# Altium PCB 2024001 A Soutra Plainsong Metronome_PCB.PcbDoc (part 2 of 2) (continued)
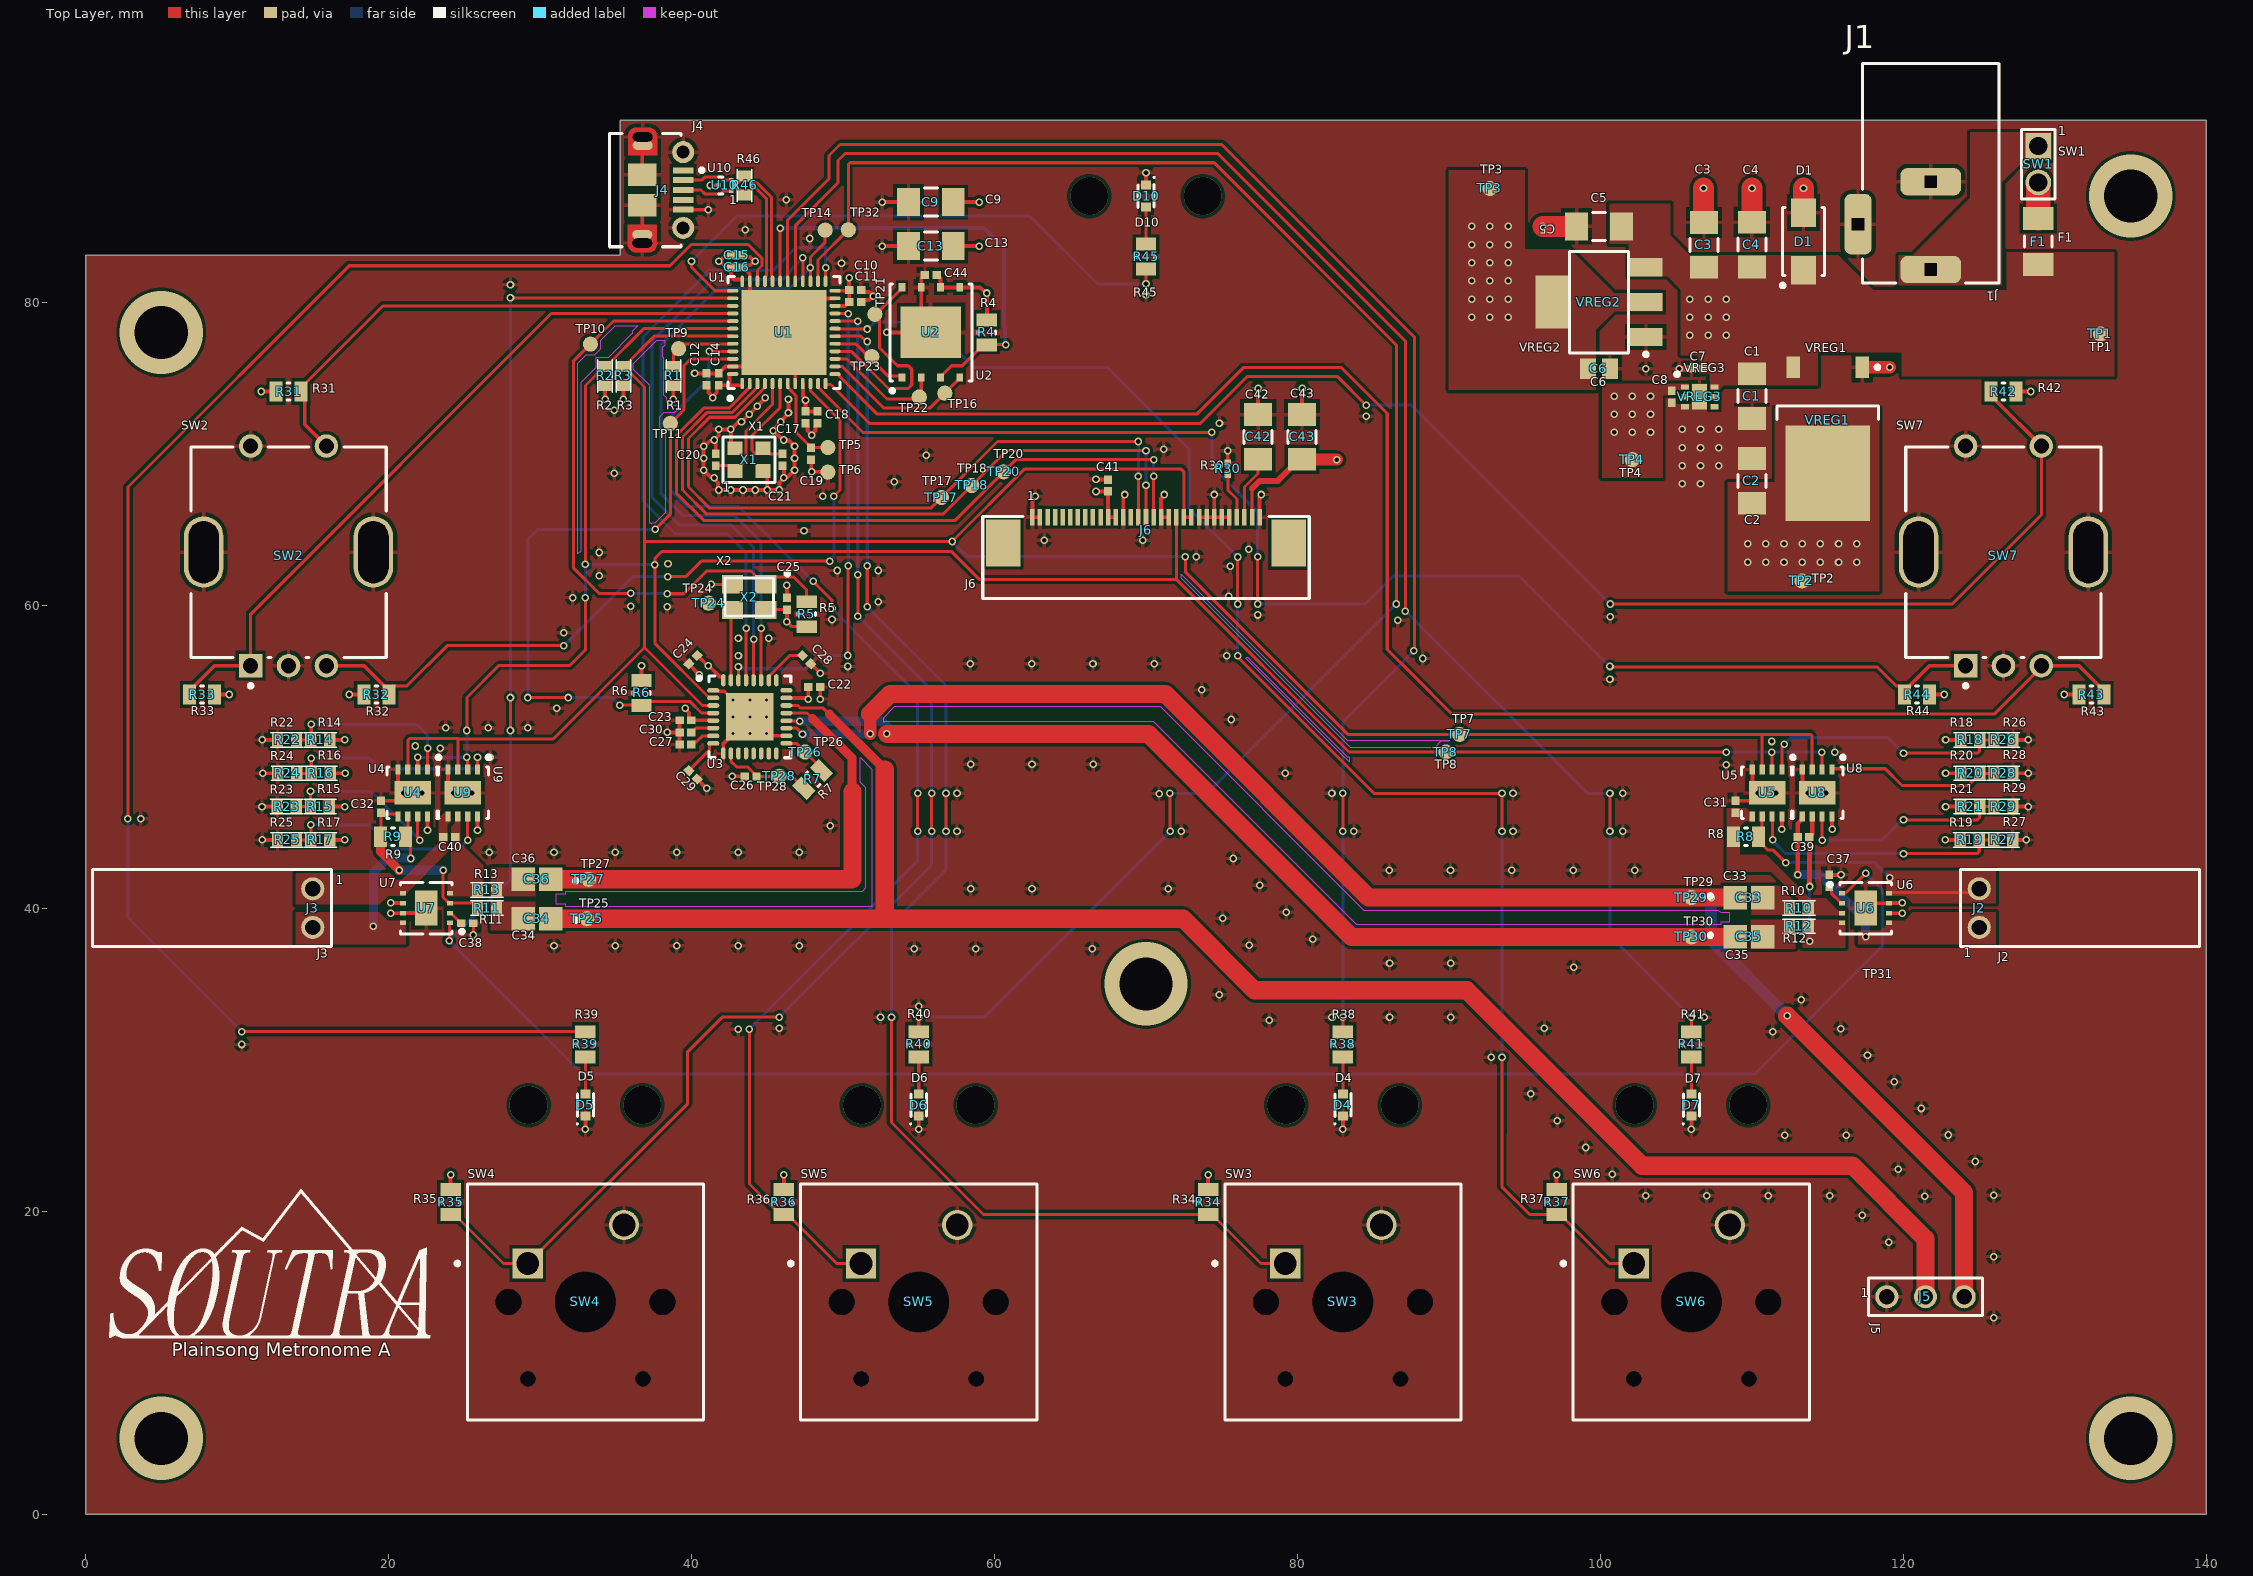
[diagram p0: Top Layer view]
## Nets (pads, with @x,y where several pads share a name; then routed paths per layer and width w, separated by ;. In a path a pad name is that pad's centre, name@x,y a point inside that pad or via, vN(x,y) a via of type N, cw(c..) or ccw(c..) an arc to the next point about the centre after c; other vN are vias at no path point) (continued)
  Top Layer w0.6: 49.1,52.8 52.751,49.149
  Top Layer w1.2: C34.1@30.7,39.3 TP25.1@33.1,39.3 52.751,39.3 ; 52.751,49.149 52.751,39.3 ; J5.2@121.45,14.35 121.45,18.175 116.625,23 102.75,23 91.175,34.575 77.175,34.575 72.45,39.3 52.751,39.3
LOUT-: C36.1 TP27.1 U3.21 | length 33.5
  Top Layer w0.2: U3.21@46.265,52.875 47.625,52.875 48,52.5
  Top Layer w0.6: 48,52.5 50.6,49.9 50.6,47.725 50.625,47.7
  Top Layer w1.2: C36.1@30.7,41.9 TP27.1@33.2,41.9 50.6,41.9 50.625,41.925 50.625,47.7
MCLK: TP24.1 U3.31 X2.3 | length 5.4
  Top Layer w0.2: TP24.1@41.325,60.116 X2.3@42.159,60.116 ; U3.31@42.6,55.04 X2.3@42.6,59.575
MCLK_EN: R5.1 TP10.1 U1.41 X2.1 | length 43.7
  Top Layer w0.2: v1(36,60.775) 33.9,60.775 32.2,62.475 32.2,76.1 TP10.1@33.325,77.225 34.85,78.75 U1.41@42.725,78.75 ; v1(38.4,60.75) 39.5,60.75 41,62.25 43.925,62.25 44.8,61.375 X2.1@44.9,61.375 45.375,61.85 46.75,61.85 47.6,61 R5.1@47.6,60.225
  Bottom Layer w0.2: v1(36,60.775) 36.012,60.762 38.388,60.762 v1(38.4,60.75)
MICBIAS: C26.1 R7.2 TP28.1 U3.10 | length 6.1
  Top Layer w0.2: U3.10@42.6,50.21 42.6,49.7 43,49.3 43.733,49.3 44.11,48.923 44.11,48.86 44.27,48.7 C26.1@44.29,48.7 TP28.1@45.8,48.7 46.633,48.7 R7.2@47.417,47.917
NetC19_1: C19.1 TP5.1 U1.7 | length 6
  Top Layer w0.2: U1.7@46.35,74.625 46.35,74.375 46.9,73.825 46.9,71.41 47.9,70.41 C19.1@47.9,70.39 47.905,70.395 48.995,70.395 TP5.1@49,70.4
NetC20_1: C20.1 U1.5 X1.1 | length 8.3
  Top Layer w0.2: C20.1@41.6,69.21 42.465,69.21 42.825,68.85 X1.1@42.875,68.85 42.925,68.85 43.248,69.173 43.248,69.223 43.6,69.575 43.6,71.5 45.35,73.25 U1.5@45.35,74.625
NetC21_1: C21.1 U1.6 X1.3 | length 7.6
  Top Layer w0.2: U1.6@45.85,74.625 45.85,73.05 44,71.2 44,70.2 44.2,70 44.375,70 X1.3@44.725,70.35 44.775,70.35 45.135,69.99 C21.1@46,69.99
NetC27_1: C27.1 U3.7 | length 1.7
  Top Layer w0.2: C27.1@39.99,50.8 40.15,50.96 40.32,50.96 40.735,51.375 U3.7@41.435,51.375
NetC28_1: C28.1 U3.26 | length 3.1
  Top Layer w0.2: U3.26@45.1,55.04 45.1,55.29 46.5,56.69 47.31,56.69 C28.1@47.324,56.676
NetC29_1: C29.1 U3.8 | length 2.6
  Top Layer w0.2: C29.1@39.824,49.076 41.173,50.425 41.173,50.829 41.22,50.875 U3.8@41.435,50.875
NetC30_1: C30.1 U3.6 | length 1.6
  Top Layer w0.2: C30.1@39.99,51.6 40.01,51.6 40.285,51.875 U3.6@41.435,51.875
NetC31_1: C31.1 R8.1 R10.2 U5.5 U6.3 | length 1.3
  Top Layer w0.2: R8.1@108.775,44.45 R8.1@108.775,44.7 R8.1@108.9,44.825 ; C31.1@108.9,46.31 C31.1@109.01,46.2 ; U5.5@109.95,46.2 110.025,46.125 U5.5@110.025,46.05 ; R10.2@113.725,40.05 R10.2@113.725,40 113.725,39.95 R10.2@114,39.675
NetC32_1: C32.1 R9.1 R11.2 U4.5 U7.3 | length 12.8
  Top Layer w0.2: R9.1@19.475,44.7 19.5,44.725 C32.1@19.5,46.215 ; C32.1@19.5,46.31 19.595,46.215 20.55,46.215 20.625,46.14 U4.5@20.625,46.05 ; v1(23.6,42.5) 23.6,40.725 24,40.325 U7.3@24.05,40.325 25.6,40.325 25.875,40.05 R11.2@25.875,40
  Top Layer w0.6: R9.1@19.475,44.7 19.475,43.725 v1(20.7,42.5)
  Bottom Layer w0.6: v1(20.7,42.5) v1(23.6,42.5)
NetC33_2: C33.2 R10.1
NetC34_2: C34.2 R11.1
NetC35_2: C35.2 R12.1
NetC36_2: C36.2 R13.1
NetC37_1: C37.1 U6.2 | length 1.4
  Top Layer w0.2: C37.1@115.1,41.39 115.24,41.25 115.24,40.985 115.85,40.375 115.9,40.375 U6.2@115.95,40.325
NetC38_1: C38.1 U7.2 | length 1
  Top Layer w0.2: U7.2@24.05,39.675 24.1,39.675 24.615,39.16 24.65,39.16 C38.1@24.81,39
NetC39_1: C39.1 R12.2 U6.4 U8.6 | length 8.8
  Top Layer w0.2: v1@113.795,41.43 v1(113.8,41.425) ; C39.1@113.795,44.695 C39.1@113.79,44.7 113.81,44.7 C39.1@113.975,44.865 ; R12.2@113.8,38.725 R12.2@113.725,38.8 R12.2@113.95,39.025
  Top Layer w0.3: v1@113.795,41.43 C39.1@113.795,44.695 ; C39.1@113.975,44.865 U8.6@113.975,46.05
  Bottom Layer w0.2: v1(113.8,37.8) v1(113.8,41.425)
NetC39_2: C39.2 J2.1 U6.5 U8.5 | length 11.2
  Top Layer w0.2: J2.1@124.75,38.975 J2.1@125,38.725
  Top Layer w0.3: v1(113.01,42.21) 113.01,45.585 113.3,45.875 113.3,46.025 U8.5@113.325,46.05
  Bottom Layer w0.6: v1(113.01,42.21) 114.49,42.21 117.5,39.2 v1(117.5,38.1)
NetC40_1: C40.1 R13.2 U7.4 U9.6 | length 0.6
  Top Layer w0.2: C40.1@24.39,44.7 24.41,44.7 C40.1@24.57,44.86 ; R13.2@25.65,40.975 R13.2@25.875,41.2
NetC40_2: C40.2 J3.1 U7.5 U9.5 | length 0.6
  Top Layer w0.2: J3.1@15.025,41.3 J3.1@15,41.275 J3.1@15.25,41.025 ; U7.5@20.9,40.975 U7.5@20.95,40.975 U7.5@21,40.975 ; U9.5@23.925,45.9 U9.5@23.925,46.05
NetC42_1: C42.1 J6.29 | length 4.2
  Top Layer w0.2: J6.29@76.5,65.8 76.5,67.8 77.388,68.688 77.388,69.612 C42.1@77.4,69.624
NetD4_2: D4.2 R38.2 | length 2.5
  Top Layer w0.2: D4.2@83,27.725 R38.2@83,30.175
NetD5_2: D5.2 R39.2 | length 2.5
  Top Layer w0.2: D5.2@33,27.725 R39.2@33,30.175
NetD6_2: D6.2 R40.2 | length 2.5
  Top Layer w0.2: D6.2@55,27.725 R40.2@55,30.175
NetD7_2: D7.2 R41.2 | length 2.5
  Top Layer w0.2: D7.2@106,27.725 R41.2@106,30.175
NetD10_2: D10.2 R45.2 | length 2.5
  Top Layer w0.2: R45.2@70,83.825 D10.2@70,86.275
NetF1_1: F1.1 SW1.2 | length 2.4
  Top Layer w1.6: F1.1@128.9,85.52 SW1.2@128.9,87.9
NetJ1_1: J1.1 SW1.1
NetJ2_2: J2.2 R8.2 U5.6 U6.8 | length 17.5
  Top Layer w0.2: U5.6@110.675,46.05 110.675,44.95 R8.2@110.425,44.7 110.425,44.45 111.05,43.825 111.395,43.825 v1(112.225,42.995) ; U6.8@119.075,41.025 124.75,41.025 J2.2@125,41.275 ; v1@119.075,41.975 v1(119.1,42)
  Bottom Layer w0.2: v1(112.225,42.995) 112.255,43.025 118.075,43.025 v1(119.1,42)
NetJ3_2: J3.2 R9.2 U4.6 U7.8 | length 9.5
  Top Layer w0.2: J3.2@15,38.725 J3.2@15.075,38.8 ; U7.8@20.934,39.009 U7.8@20.95,39.025 ; U4.6@21.275,46.05 21.275,44.85 R9.2@21.125,44.7 21.45,44.375 21.45,43.3 v1(21.475,43.275)
  Top Layer w0.5: v1(19,38.8) v1@19.002,38.798
  Bottom Layer w0.6: v1(19,38.8) 19,42.35 19.95,43.3 21.45,43.3 v1(21.475,43.275)
NetJ6_28: J6.28 R30.2 | length 3.1
  Top Layer w0.2: R30.2@75.4,68.625 75.4,67.6 76,67 J6.28@76,65.8
NetR31_1: R31.1 SW2.2 U1.39 | length 35.3
  Top Layer w0.2: R31.1@14.225,74.1 14.225,74.35 14.55,74.675 19.625,79.75 U1.39@42.725,79.75
  Top Layer w0.254: R31.1@14.225,74.1 14.475,73.85 14.475,72.4 14.475,71.925 SW2.2@15.9,70.5
NetR32_1: R32.1 SW2.B U1.10 | length 50.5
  Top Layer w0.2: R32.1@20.025,54.1 20.025,54.35 20.35,54.675 21.225,54.675 23.875,57.325 v1(31.575,57.325) ; v1(38.425,61.875) 39.625,61.875 40.65,62.9 v1(49.125,62.9) ; U1.10@47.85,74.625 47.85,74.15 49.8,72.2 49.8,67.6 v1(49.4,67.2)
  Top Layer w0.254: SW2.B@15.9,56 18.375,56 R32.1@20.025,54.35
  Bottom Layer w0.2: v1(31.575,57.325) 36.125,61.875 v1(38.425,61.875) ; v1(49.125,62.9) 49.133,62.9 49.4,63.167 v1(49.4,67.2)
NetR33_1: R33.1 SW2.A U1.40 | length 48.8
  Top Layer w0.2: SW2.A@10.9,56 10.9,59.4 30.75,79.25 U1.40@42.725,79.25
  Top Layer w0.254: R33.1@6.577,54.648 R33.1@6.875,54.35 ; R33.1@6.875,54.1 R33.1@6.875,54.35 ; SW2.A@10.9,56 8.525,56 R33.1@6.875,54.35
NetR34_1: R34.1 SW3.1 U1.18 | length 87.3
  Top Layer w0.2: U1.18@49.475,77.75 51.172,77.75 51.522,77.4 v1(51.6,77.4) ; v1(51.6,59.9) v1(51.6,62.6) ; v1(53.2,32.8) 53.2,25.85 59.275,19.775 R34.1@74.1,19.775 74.35,19.775 77.585,16.54 SW3.1@79.19,16.54 ; v1(56.8,45.075) v1(56.8,47.575)
  Bottom Layer w0.2: v1(51.6,59.9) 56.8,54.7 v1(56.8,47.575) ; v1(51.6,62.6) v1(51.6,77.4) ; v1(53.2,32.8) 53.2,38.925 56.8,42.525 v1(56.8,45.075)
NetR35_1: R35.1 SW4.1 U1.20 | length 85.4
  Top Layer w0.2: R35.1@24.1,19.775 24.35,19.775 27.585,16.54 SW4.1@29.19,16.54 39.744,27.094 39.744,30.52 42.024,32.8 v1(45.8,32.8) ; U1.20@49.475,78.75 49.485,78.74 50.959,78.74 v1(50.971,78.729) ; v1(50.975,59.275) v1(50.975,62) ; v1(55.85,45.075) v1(55.85,47.575)
  Bottom Layer w0.2: v1(45.8,32.8) 55.85,42.85 v1(55.85,45.075) ; v1(50.971,78.729) 50.973,78.727 50.973,62.002 v1(50.975,62) ; v1(50.975,59.275) 55.85,54.4 v1(55.85,47.575)
NetR36_1: R36.1 SW5.1 U1.45 | length 80.5
  Top Layer w0.2: v1(41.164,76.745) 42.72,76.745 U1.45@42.725,76.75 ; v1(43.8,32) 43.829,31.971 43.829,21.796 45.85,19.775 R36.1@46.1,19.775 46.35,19.775 49.585,16.54 SW5.1@51.19,16.54 ; v1(48.025,61.575) 49.275,60.325 v1(49.275,59.775) ; v1(54.925,45.075) v1(54.925,47.575)
  Bottom Layer w0.2: v1(41.164,76.745) 41.164,74.964 38.6,72.4 38.6,67.6 39.7,66.5 43.1,66.5 v1(48.025,61.575) ; v1(43.8,32) 54.925,43.125 v1(54.925,45.075) ; v1(49.275,59.775) 54.925,54.125 v1(54.925,47.575)
NetR37_1: R37.1 SW6.1 U1.19 | length 100.1
  Top Layer w0.2: U1.19@49.475,78.25 49.485,78.24 51.58,78.24 v1(51.596,78.224) ; v1(76.05,56.65) 76.05,56.569 85.044,47.575 v1(93.5,47.575) v1(93.5,45.075) ; v1(76.05,60.075) v1(76.05,63.175) ; v1(93.5,30.15) 93.5,25.1 93.488,25.088 93.488,21.612 95.325,19.775 R37.1@97.1,19.775 97.35,19.775 100.585,16.54 SW6.1@102.19,16.54
  Bottom Layer w0.2: v1(51.596,78.224) 51.637,78.224 52.113,78.7 55.625,78.7 58.625,75.7 67.425,75.7 72.825,70.3 72.825,66.4 v1(76.05,63.175) ; v1(76.05,56.65) v1(76.05,60.075) ; v1(93.5,30.15) v1(93.5,45.075)
NetR38_1: R38.1 U1.30 | length 101.5
  Top Layer w0.2: U1.30@46.35,81.375 46.35,85.425 49.075,88.15 49.075,89.675 49.8,90.4 75,90.4 87.732,77.668 87.732,57.032 v1(87.675,56.975) ; R38.1@83,31.825 v1(83,32.8) ; v1(83,45.075) v1(83,47.575)
  Bottom Layer w0.2: v1(83,32.8) v1(83,45.075) ; v1(83,47.575) 83,52.3 v1(87.675,56.975)
NetR39_1: R39.1 U1.34 | length 112.2
  Top Layer w0.2: v1(2.8,45.9) 2.8,67.8 17.4,82.4 38.575,82.4 39.975,83.8 43.736,83.8 44.65,82.886 44.65,82.417 44.35,82.117 U1.34@44.35,81.375 ; v1(10.325,31.85) 32.975,31.85 R39.1@33,31.825
  Bottom Layer w0.2: v1(2.8,45.9) 2.8,39.375 v1(10.325,31.85)
NetR41_1: R41.1 U1.29 | length 106.2
  Top Layer w0.2: U1.29@46.85,81.375 46.85,85.05 49.675,87.875 49.675,89.35 50.125,89.8 74.75,89.8 87.125,77.425 v1(87.125,59.6) ; v1(100.625,45.075) v1(100.625,47.575) ; R41.1@106,31.825 v1(106,32.8)
  Bottom Layer w0.2: v1(87.125,59.6) 99.15,47.575 v1(100.625,47.575) ; v1(100.625,45.075) 100.625,38.175 v1(106,32.8)
NetR42_1: R42.1 SW7.2 U1.12 | length 100.8
  Top Layer w0.2: U1.12@48.85,74.625 48.85,74.59 48.873,74.567 49.183,74.567 51.75,72 73.6,72 76.7,75.1 82.625,75.1 v1(84.525,73.2) ; v1(100.65,60.075) 123.225,60.075 129.1,65.95 SW7.2@129.1,70.5
  Top Layer w0.254: R42.1@125.775,74.1 126.073,73.802 126.073,73.527 SW7.2@129.1,70.5
  Bottom Layer w0.2: v1(84.525,73.2) 87.525,73.2 v1(100.65,60.075)
NetR43_1: R43.1 SW7.B U1.13 | length 107.5
  Top Layer w0.2: U1.13@49.475,75.25 49.711,75.25 49.735,75.227 49.735,75.134 52.268,72.6 73.35,72.6 76.45,75.7 82.875,75.7 85.925,72.65 85.925,57.075 87.5,55.5 90.2,52.8 126,52.8 129.1,55.9 SW7.B@129.1,56
  Top Layer w0.254: SW7.B@129.1,56 131.575,56 R43.1@133.225,54.35 ; R43.1@133.225,54.1 R43.1@133.225,54.35 ; R43.1@133.523,54.648 R43.1@133.225,54.35
NetR44_1: R44.1 SW7.A U1.11 | length 91.9
  Top Layer w0.2: U1.11@48.35,74.625 48.35,74.375 51.325,71.4 v1(74.35,71.4) ; v1(77.375,60.075) v1(77.375,63.2) ; v1(100.625,55.95) 100.65,55.925 118.25,55.925 119.513,54.662 119.75,54.662 120.075,54.337 R44.1@120.075,54.1 R44.1@120.075,54.35
  Top Layer w0.254: R44.1@120.075,54.35 121.725,56 SW7.A@124.1,56
  Bottom Layer w0.2: v1(74.35,71.4) 74.35,69.15 77.375,66.125 v1(77.375,63.2) ; v1(77.375,60.075) 84.475,60.075 86.325,61.925 94.65,61.925 v1(100.625,55.95)
NetR45_1: R45.1 U1.37 | length 37.8
  Top Layer w0.2: v1(40,82.7) 40,82.3 41.55,80.75 U1.37@42.725,80.75 ; v1(70,81.2) R45.1@70,82.175
  Bottom Layer w0.2: v1(40,82.7) 43,85.7 62.3,85.7 66.8,81.2 v1(70,81.2)
OLED_D/C_SA0: J6.17 TP20.1 U1.2 | length 47.9
  Top Layer w0.2: U1.2@43.85,74.625 43.85,74.375 42.475,73 40.8,73 39,71.2 39,67.4 40.8,65.6 57.4,65.6 61.4,69.6 v1(70.5,69.6) ; J6.17@70.5,65.8 v1(70.5,68.5)
  Bottom Layer w0.2: v1(70.5,68.5) v1(70.5,69.6)
R+_DPOT_A0: R18.1 R26.2 U5.1 | length 17
  Top Layer w0.2: U5.1@111.975,49.15 111.987,49.162 111.987,50.606 112.125,50.744 v1(112.125,50.825) ; v1(120,50.225) 124.875,50.225 125.025,50.375 R18.1@125.025,51.1 R26.2@125.975,51.1
  Bottom Layer w0.2: v1(112.125,50.825) 112.144,50.825 112.594,51.275 118.95,51.275 v1(120,50.225)
R+_DPOT_A1: R19.1 R27.2 U5.7 | length 17.4
  Top Layer w0.2: U5.7@111.325,46.05 111.35,46.025 111.35,44.525 v1(111.375,44.5) ; v1(120,43.6) 124.875,43.6 125,43.725 R19.1@125,44.5 R27.2@125.95,44.5
  Bottom Layer w0.2: v1(111.375,44.5) 111.375,44.443 112.218,43.6 v1(120,43.6)
R-_DPOT_A0: R20.1 R28.2 U8.1 | length 11.5
  Top Layer w0.2: U8.1@115.275,49.15 115.325,49.2 118.8,49.2 119.9,48.1 124.275,48.1 125.025,48.85 R20.1@125.025,48.9 R28.2@125.975,48.9
R-_DPOT_A1: R21.1 R29.2 U8.7 | length 14.2
  Top Layer w0.2: v1(114.627,44.491) U8.7@114.625,46.05 ; v1(120,45.825) 124.875,45.825 125.025,45.975 R21.1@125.025,46.7 R29.2@125.975,46.7
  Bottom Layer w0.2: v1(114.627,44.491) 118.591,44.491 119.925,45.825 v1(120,45.825)
ROUT+: C33.1 J5.3 TP29.1 U3.19 | length 103.5
  Top Layer w0.2: U3.19@46.265,51.875 46.94,51.875 v1(47.326,51.489)
  Top Layer w0.8: v1(51.8,51.5) 51.8,52.831
  Top Layer w1.2: 51.8,52.831 53.094,54.125 71.275,54.125 84.7,40.7 TP29.1@106,40.7 v1(107.3,40.7) C33.1@108.9,40.7 ; v1(112.325,32.9) 124,21.225 J5.3@124,14.35
  Bottom Layer w0.6: v1(47.326,51.489) 47.331,51.495 51.795,51.495 v1(51.8,51.5)
  Bottom Layer w0.8: v1(107.3,40.7) 107.3,37.9 112.3,32.9 v1(112.325,32.9)
ROUT-: C35.1 TP30.1 U3.20 | length 68.8
  Top Layer w0.2: U3.20@46.265,52.375 46.284,52.356 47.131,52.356 v1(47.149,52.337)
  Top Layer w1.2: v1(52.9,51.5) 70.175,51.5 83.575,38.1 TP30.1@106,38.1 C35.1@108.9,38.1
  Bottom Layer w0.6: v1(47.149,52.337) 52.549,52.337 52.9,51.986 v1(52.9,51.5)
SCL: J6.20 R2.1 TP8.1 U1.42 U3.2 U4.2 U5.2 U8.2 U9.2 | length 151.3
  Top Layer w0.2: U4.2@21.925,49.15 21.93,49.155 21.93,49.95 v1(21.936,49.955) ; v1(25.175,49.95) 25.2,49.925 25.2,49.175 U9.2@25.225,49.15 ; v1(25.175,51.725) 25.175,53.9 27.3,56.025 31.975,56.025 33,57.05 v1(33,60.5) ; v1(33,62.7) 33,74.5 34.25,75.75 R2.1@34.3,75.75 34.35,75.75 36.85,78.25 U1.42@42.725,78.25 ; U3.2@41.435,53.875 41.402,53.908 41.152,53.908 37.575,57.485 37.575,63.075 38.05,63.55 57.15,63.55 59,61.7 72,61.7 ; J6.20@72,65.8 72,61.7 ; v1(108.3,50.3) TP8.1@89.8,50.3 83.4,50.3 72,61.7 ; v1(111.3,50.3) 111.313,50.288 111.313,49.162 U5.2@111.325,49.15 ; v1(114.6,50.3) 114.612,50.288 114.612,49.163 U8.2@114.625,49.15
  Bottom Layer w0.2: v1(21.936,49.955) 21.938,49.953 25.172,49.953 v1(25.175,49.95) v1(25.175,51.725) ; v1(33,60.5) v1(33,62.7) 33.012,62.687 37.563,62.687 v1(37.575,62.675) ; v1(108.3,50.3) v1(111.3,50.3) v1(114.6,50.3)
SDA: J6.21 J6.22 R3.1 TP7.1 U1.43 U3.3 U4.3 U5.3 U8.3 U9.3 | length 163.8
  Top Layer w0.2: U4.3@21.275,49.15 21.275,51.07 21.392,51.187 24.587,51.187 ; U9.3@24.575,49.15 24.587,49.162 24.587,51.167 30.867,51.167 36.9,57.2 ; R3.1@35.5,75.75 R3.1@35.55,75.75 ; U3.3@41.435,53.375 40.725,53.375 36.9,57.2 ; U1.43@42.725,77.75 37.55,77.75 R3.1@35.55,75.75 ; v1(72.6,63.2) 72.6,62.2 83.325,51.475 TP7.1@90.7,51.475 110.675,51.475 ; J6.22@73,65.8 J6.21@72.5,65.8 72.5,68.8 72.3,69 62,69 v1(57.2,64.2) 36.9,64.2 ; U5.3@110.675,49.15 110.675,51.475 ; U8.3@113.975,49.15 113.975,51.358 113.858,51.475 110.675,51.475 ; R3.1@35.55,75.75 36.9,74.4 36.9,64.2 ; 36.9,57.2 36.9,64.2
  Bottom Layer w0.2: v1(57.2,64.2) 58.2,63.2 v1(72.6,63.2)
SPI1_MISO: TP21.1 U1.16 U2.8 | length 14.5
  Top Layer w0.2: U1.16@49.475,76.75 50.55,76.75 53,74.3 54.3,74.3 54.538,74.538 54.538,75.562 54.3,75.8 53.6,75.8 52.4,77 52.4,79.43 53.895,80.925 U2.8@53.895,80.975
SPI1_MOSI: TP23.1 U1.17 U2.1 | length 5.3
  Top Layer w0.2: U1.17@49.475,77.25 50.85,77.25 52.2,75.9 52.987,75.113 53.807,75.113 U2.1@53.895,75.025
SPI1_SCK: TP22.1 U1.15 U2.2 | length 8.1
  Top Layer w0.2: U1.15@49.475,76.25 50.25,76.25 52.9,73.6 54.9,73.6 55.165,73.865 U2.2@55.165,75.025
pads on no net: J4.1 J4.4 J6.3 J6.4 J6.5 J6.6 J6.7 J6.8 J6.9 J6.10 J6.14 J6.32 J6.33 SW3.MH1 SW3.MH2 SW3.MH3 SW4.MH1 SW4.MH2 SW4.MH3 SW5.MH1 SW5.MH2 SW5.MH3 SW6.MH1 SW6.MH2 SW6.MH3 U3.11 U3.12 U3.13 U3.14 U3.15 U3.16 U3.24 U3.25 VREG3.2 VREG3.4 VREG3.5
copper on no net:
  other v2: 29.25,27 36.75,27 51.25,27 58.75,27 79.25,27 86.75,27 102.25,27 109.75,27 66.25,87 73.75,87
  other v5: 5,5 135,5 70,35 5,78 135,87

## Polygon pours and split planes (outlines as drawn)
GND on Top Layer "NONET_L-01_P-001" (solid, pour order 42): 0,83.1 0,0 140,0 140,92 35.3,92 35.25,91.95 35.25,83.1
+9V on Top Layer "+9V_L01_P023" (solid, pour order 23): 100.6,83.85 101.875,83.85 101.875,81.7 104.425,81.7 105.3,80.825 105.3,76.5 106.5,76.5 106.5,75.3 107.2,75.3 107.2,74.2 107.825,74.2 108.125,74.5 114.35,74.5 114.35,76.7 119.9,76.7 119.9,75.1 133.9,75.1 133.9,83.3 126.8,83.3 126.8,80.8 118,80.8 115.7,83.1 105.9,83.1 104.6,84.4 104.6,86.5 100.6,86.5
GND on Top Layer "Top Layer-GND" (solid, pour order 29): 104.3,67 108,67 108,68.4 111.296,68.4 111.296,73.1 108.6,73.1 108.1,73.1 108.1,72.725 107,72.725 107,74.6 106,74.6 106,73.275 104.974,73.275 104.974,73.65 104.3,73.65
+1V8 on Top Layer "Top Layer-No Net" (solid, pour order 17): 104.1,68.4 104.1,73.85 104.675,73.85 105.025,74.2 105.8,74.2 105.8,74.6 100.1,74.6 100.1,68.4
NetC39_2 on Top Layer "NETC39_2_L01_P033" (solid, pour order 33): 118.85,39.175 120.075,39.175 120.625,39.725 126.1,39.725 126.1,37.6 117,37.6 117,38.5 118.475,38.5 118.85,38.875
NetC34_2 on Top Layer "NETC34_2_L01_P035" (solid, pour order 35): 26.75,40.425 26.75,38.525 29.675,38.525 29.675,40.425
NetC35_2 on Top Layer "NETC35_2_L01_P041" (solid, pour order 41): 112.845,39.223 112.845,37.33 112.85,37.325 109.925,37.325 109.925,39.225 112.85,39.225
NetC33_2 on Top Layer "NETC33_2_L01_P040" (solid, pour order 40): 110,41.475 110,39.575 112.1,39.575 112.85,39.575 112.85,40.425 111.8,41.475
NetC39_1 on Top Layer "NETC39_1_L01_P039" (solid, pour order 39): 113.35,39.225 115.7,39.225 115.75,39.175 116.15,39.175 116.15,37.375 113.35,37.375
NetC31_1 on Top Layer "NETC31_1_L01_P038" (solid, pour order 38): 110.196,46.366 110.196,45.729 110.2,45.725 109.55,45.725 109.2,45.375 109.2,43.525 110.95,43.525 113.825,40.65 114.875,40.65 115.7,39.825 116.15,39.825 116.15,39.525 113.35,39.525 113.35,40.325 111.275,42.4 108.35,42.4 108.35,46.6 109.625,46.6 109.85,46.375 110.2,46.375
NetC40_1 on Top Layer "NETC40_1_L01_P037" (solid, pour order 37): 24.4,46.375 24.4,45.625 24.125,45.35 24.125,42.4 23.9,42.175 23.9,40.775 25.5,40.775 26.25,40.775 26.25,42.825 24.75,44.325 24.75,46.375
NetC36_2 on Top Layer "NETC36_2_L01_P036" (solid, pour order 36): 26.75,40.775 29.675,40.775 29.675,42.675 26.75,42.675
NetJ2_2 on Top Layer "NETJ2_2_L01_P034" (solid, pour order 34): 118.85,40.825 120.125,40.825 120.625,40.325 126.1,40.325 126.1,42.475 118.85,42.475
NetJ3_2 on Top Layer "NETJ3_2_L01_P032" (solid, pour order 32): 21.15,39.175 21.15,37.625 13.875,37.625 13.875,39.725 19.4,39.725 19.95,39.175
NetC40_2 on Top Layer "NETC40_2_L01_P031" (solid, pour order 31): 23.325,45.95 23.75,46.375 24.1,46.375 24.1,45.725 23.875,45.5 23.875,43.675 21.025,40.825 19.975,40.825 19.4,40.25 13.875,40.25 13.875,42.3 20.1,42.3 20.525,41.875 20.875,41.875 23.325,44.325
+3V3 on Top Layer "+3V3_L01_P022" (solid, pour order 22): 90,83.5 90,88.7 95,88.7 95,83.5 98,83.5 100.9,80.6 104.1,80.6 104.1,79.4 100.925,79.4 99.7,78.175 99.7,74.2 90,74.2
+5V on Top Layer "+5V_L01_P021" (solid, pour order 21): 108.4,68.1 108.4,60.9 118.4,60.9 118.4,73 111.5,73 111.5,68.1
NetJ1_1 on Top Layer "INPUT_POWER_POUR" (solid, pour order 20): 119.7,83.1 119.7,81.1 126.5,81.1 126.5,87.9 128,89.4 129.8,89.4 129.8,91.2 124.4,91.2 124.4,86.9 120.6,83.1
+3V3 on Layer 2 "+3V3_L03_P028" (solid, pour order 28): 94.9,77.9 78.4,77.9 78.4,61.4 48.8,61.4 47.1,59.7 47.1,57.35 39.875,57.35 39.875,64.1 30.15,64.1 30.15,53.275 12.6,53.275 12.6,23.55 124.7,23.55 124.7,53 118.85,53 118.85,74.8 140,74.8 140,0 0,0 0,83.1 35.3,83.1 35.3,92 48.2,92 94.9,92
+5V on Layer 2 "+5V_L03_P027" (solid, pour order 27): 30.175,45.9 30.175,52.625 13.3,52.625 13.3,24.25 124,24.25 124,52.3 118.15,52.3 118.15,67.5 104.9,67.5 104.9,45.9
+1V8 on Layer 2 "+1V8_L03_P026" (solid, pour order 26): 83.875,60.7 83.875,74.8 104.2,74.8 104.2,73.8 104.2,46.6 30.8,46.6 30.8,63.425 39.2,63.425 39.2,56.65 47.8,56.65 47.8,59.4 49.1,60.7
+9V on Layer 2 "+9V_L03_P030" (solid, pour order 30): 140,92 140,75.5 83.175,75.5 83.175,61.4 79.1,61.4 79.1,77.2 95.6,77.2 95.6,92
GND on Layer 2 "GND_L03_P025" (solid, pour order 25): 46.368,74.2 46.9,74.2 46.9,73.134 46.944,73.09 46.944,71 47.202,70.632 47.202,68.502 45.9,67.2 41.6,67.2 40.4,68.4 40.4,70.7 41.8,72.1 42.71,72.1 44.7,74.109 44.7,74.8 44.714,75.373 44.711,76.089 44.714,76.093 46.368,76.093 46.368,75.554
GND on Layer 1 "Layer 1-GND" (solid, pour order 24): 0,0 140,0 140,92 35.3,92 35.3,83.1 0,83.1
GND on Bottom Layer "NONET_L-01_P-001" (solid, pour order 43): -0.011,83.112 0,83.1 0,0 140,0 140,92 35.25,92 35.25,83.1 0,83.1

## Keep-outs
Top Layer:
  region: 52.691,52.279 52.691,52.581 53.428,53.318 70.941,53.318 84.384,39.875 107.775,39.875 107.925,39.725 108.5,39.725 108.5,39.075 107.925,39.075 107.925,38.907 107.918,38.9 83.925,38.9 70.525,52.3 52.712,52.3
  region: 51.11,49.89 51.11,48.356 51.475,47.991 51.475,41.3 51.268,41.093 31.675,41.093 31.675,40.925 31.025,40.925 31.025,40.275 31.675,40.275 31.675,40.107 32.093,40.107 32.1,40.1 32.107,40.107 51.944,40.107 51.944,49.149 51.203,49.89
  region: 36.446,78.444 36.075,78.074 36.075,77.9 36.067,77.9 34.492,76.325 33.675,76.325 33.675,75.674 32.675,74.674 32.675,63.55 32.5,63.375 32.5,75.967 33.058,76.525 33.615,76.525 34.025,76.935 34.025,77.492 34.977,78.444
  region: 37.206,65.422 37.28,65.422 37.333,65.369 37.414,65.45 37.617,65.45 38.294,66.127 38.294,71.281 37.9,71.675 37.9,72.436 38.189,72.725 38.892,72.725 39.194,73.027 39.071,73.15 38.614,73.15 38.35,73.414 38.35,73.69 38.175,73.865 38.175,76.325 38.1,76.4 38.1,77.022 38.275,77.197 38.275,77.444 37.677,77.444 36.125,75.892 36.125,75.608 37.2,74.533 37.2,65.428
  region: 83.4,49.994 83.4,49.65 82.9,50.15 82.9,50.151 76.571,56.48 76.644,56.552 76.723,56.552 83.281,49.994
  region: 89.45,51 89.05,50.6 83.525,50.6 72.342,61.783 72.342,62.025 83.272,51.095 90.007,51.095 90.007,51

## Other copper
Layer 1:
  pour cut-out: 46.463,74.1 46.8,74.1 46.8,73.327 46.807,73.333 47.454,72.552 47.359,68.259 46.1,67 41.7,67 40.286,68.414 40.286,70.786 41.7,72.2 42.7,72.2 44.3,73.8 44.5,74 44.5,74.4 44.5,76.163 46.463,76.163 46.463,75.437

## Silkscreen, mask and mechanical layers (free items; w line width, h text height)
Top Overlay:
  region: 4958 vertices and 11 holes, not listed, extent 1.566,11.596 22.766,21.462
  text "Plainsong Metronome A" at 5.7,10.136 h1.52
Bottom Overlay:
  drawing of 277 lines, arcs and shapes, not listed
Doc Field:
  drawing of 56 lines, arcs and shapes, not listed
  text "8" at -52.384,146.984 h2
  text "7" at -15.234,146.984 h2
  text "6" at 21.916,146.984 h2
  text "5" at 59.016,146.984 h2
  text "4" at 96.116,146.984 h2
  text "3" at 133.241,146.984 h2
  text "2" at 170.366,146.984 h2
  text "1" at 207.916,146.984 h2
  text "F" at -68.834,131.484 h2
  text "F" at 224.166,131.484 h2
  text "E" at -68.834,96.484 h2
  text "E" at 224.166,96.484 h2
  text "D" at -68.834,61.484 h2
  text "D" at 224.166,61.484 h2
  text "C" at -68.909,26.509 h2
  text "C" at 224.091,26.509 h2
  text "B" at -68.884,-8.516 h2
  text "B" at 224.116,-8.516 h2
  text ".Address" at 173.741,-21.933 h1
  text ".Contact" at 173.741,-23.933 h1
  text ".Website" at 173.741,-26.266 h1
  text ".Title" at 134.741,-30.366 h1.2
  text ".Engineer" at 198.991,-30.516 h1
  text "Engineer:" at 183.737,-30.628 h1.5
  text "Title:" at 122.015,-30.874 h1.5
  text "Approval:" at 183.737,-34.438 h1.5
  text ".Approver" at 198.991,-34.516 h1
  text ".Project" at 134.741,-34.616 h1.2
  text "Project:" at 122.015,-34.692 h1.5
  text "Date:" at 183.737,-37.986 h1.5
  text ".Approval_Date" at 198.991,-38.016 h1
  text "Sch Rev:" at 122.015,-38.748 h1.5
  text ".Sch_Rev" at 134.741,-38.766 h1.2
  text "Date:" at 153.741,-38.766 h1.5
  text ".Rev_Date" at 161.741,-38.766 h1.2
  text "LIBRARY" at 161.741,-42.516 h1.5
  text "A4" at 198.491,-42.516 h1.8
  text "REFERENCE DOCUMENTS" at 122.015,-42.558 h1.5
  text "Size:" at 183.737,-42.558 h1.5
  text "A" at -68.934,-43.516 h2
  text "A" at 224.066,-43.516 h2
  text ".Pcb_Scale" at 198.491,-45.016 h1
  text "Scale:" at 183.737,-45.098 h1.5
  text ".BoM_Doc" at 131.241,-45.683 h1
  text ".Library" at 161.991,-45.683 h1
  text "Rev:" at 145.741,-45.766 h1.5
  text ".BoM_Rev" at 152.241,-45.766 h1
  text "BoM:" at 122.015,-45.86 h1.5
  text ".DocumentName" at 198.491,-47.766 h1.2
  text "File Name:" at 183.737,-47.892 h1.5
  text "Rev:" at 145.741,-49.016 h1.5
  text ".Sch_Rev" at 152.241,-49.016 h1
  text ".Sch_Doc" at 131.241,-49.099 h1
  text "SCH:" at 122.015,-49.162 h1.5
  text "Rev:" at 145.741,-52.266 h1.5
  text ".Draft_Rev" at 152.241,-52.266 h1
  text ".Draft_Doc" at 131.241,-52.349 h1
  text "Draft:" at 122.015,-52.464 h1.5
  text "8" at -52.384,-59.016 h2
  text "7" at -15.234,-59.016 h2
  text "6" at 21.916,-59.016 h2
  text "5" at 59.016,-59.016 h2
  text "4" at 96.116,-59.016 h2
  text "3" at 133.241,-59.016 h2
  text "2" at 170.366,-59.016 h2
  text "1" at 207.866,-59.016 h2

## Text inside footprints (layer, text, board x,y; h text height)
J2: Top Overlay "1" at 123.975,36.55 h1
J3: Top Overlay "1" at 16.525,41.375 h1
J5: Top Overlay "1" at 117.175,14.125 h1
J6: Top Overlay "1" at 62.15,66.725 h1; Mechanical 1 "PCB EDGE" at 56.975,60.35 h0.3
SW1: Top Overlay "1" at 130.2,90.825 h1
U10: Top Overlay "1" at 42.475,86.275 h1
X1: Top Overlay "1" at 42.075,67.275 h1